# Altium PCB LarixEDUV3b.PcbDoc (part 1 of 2)
Units mm, origin at the board's own origin, x right, y up, seen from the top; angles counter-clockwise.
Board outline 56 x 65 mm, 2 copper layers (Top Layer, Bottom Layer), stack 1.621 mm thick; 132 components, 118 nets, 633 pads, 273 vias.
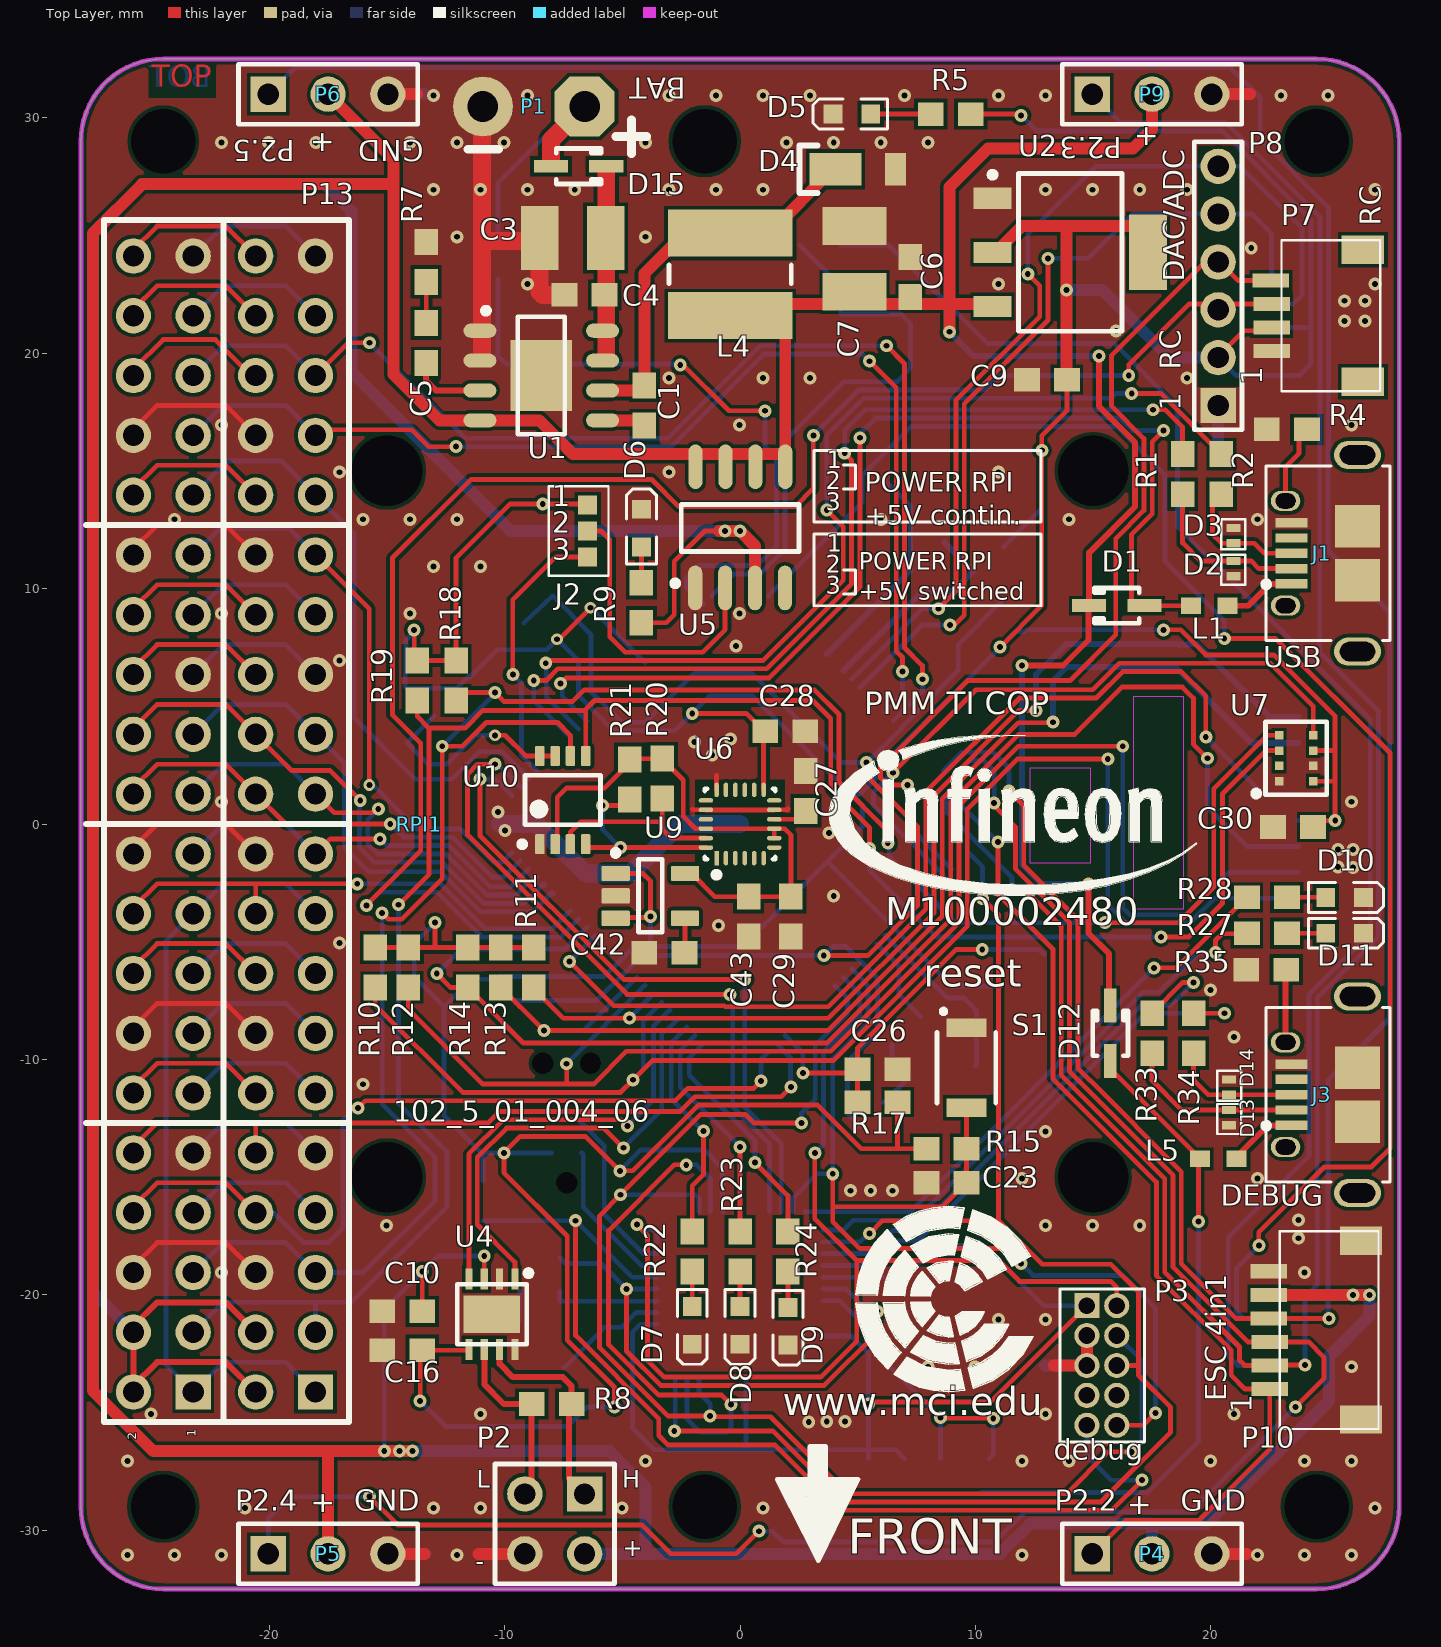
[diagram p0: Top Layer view]
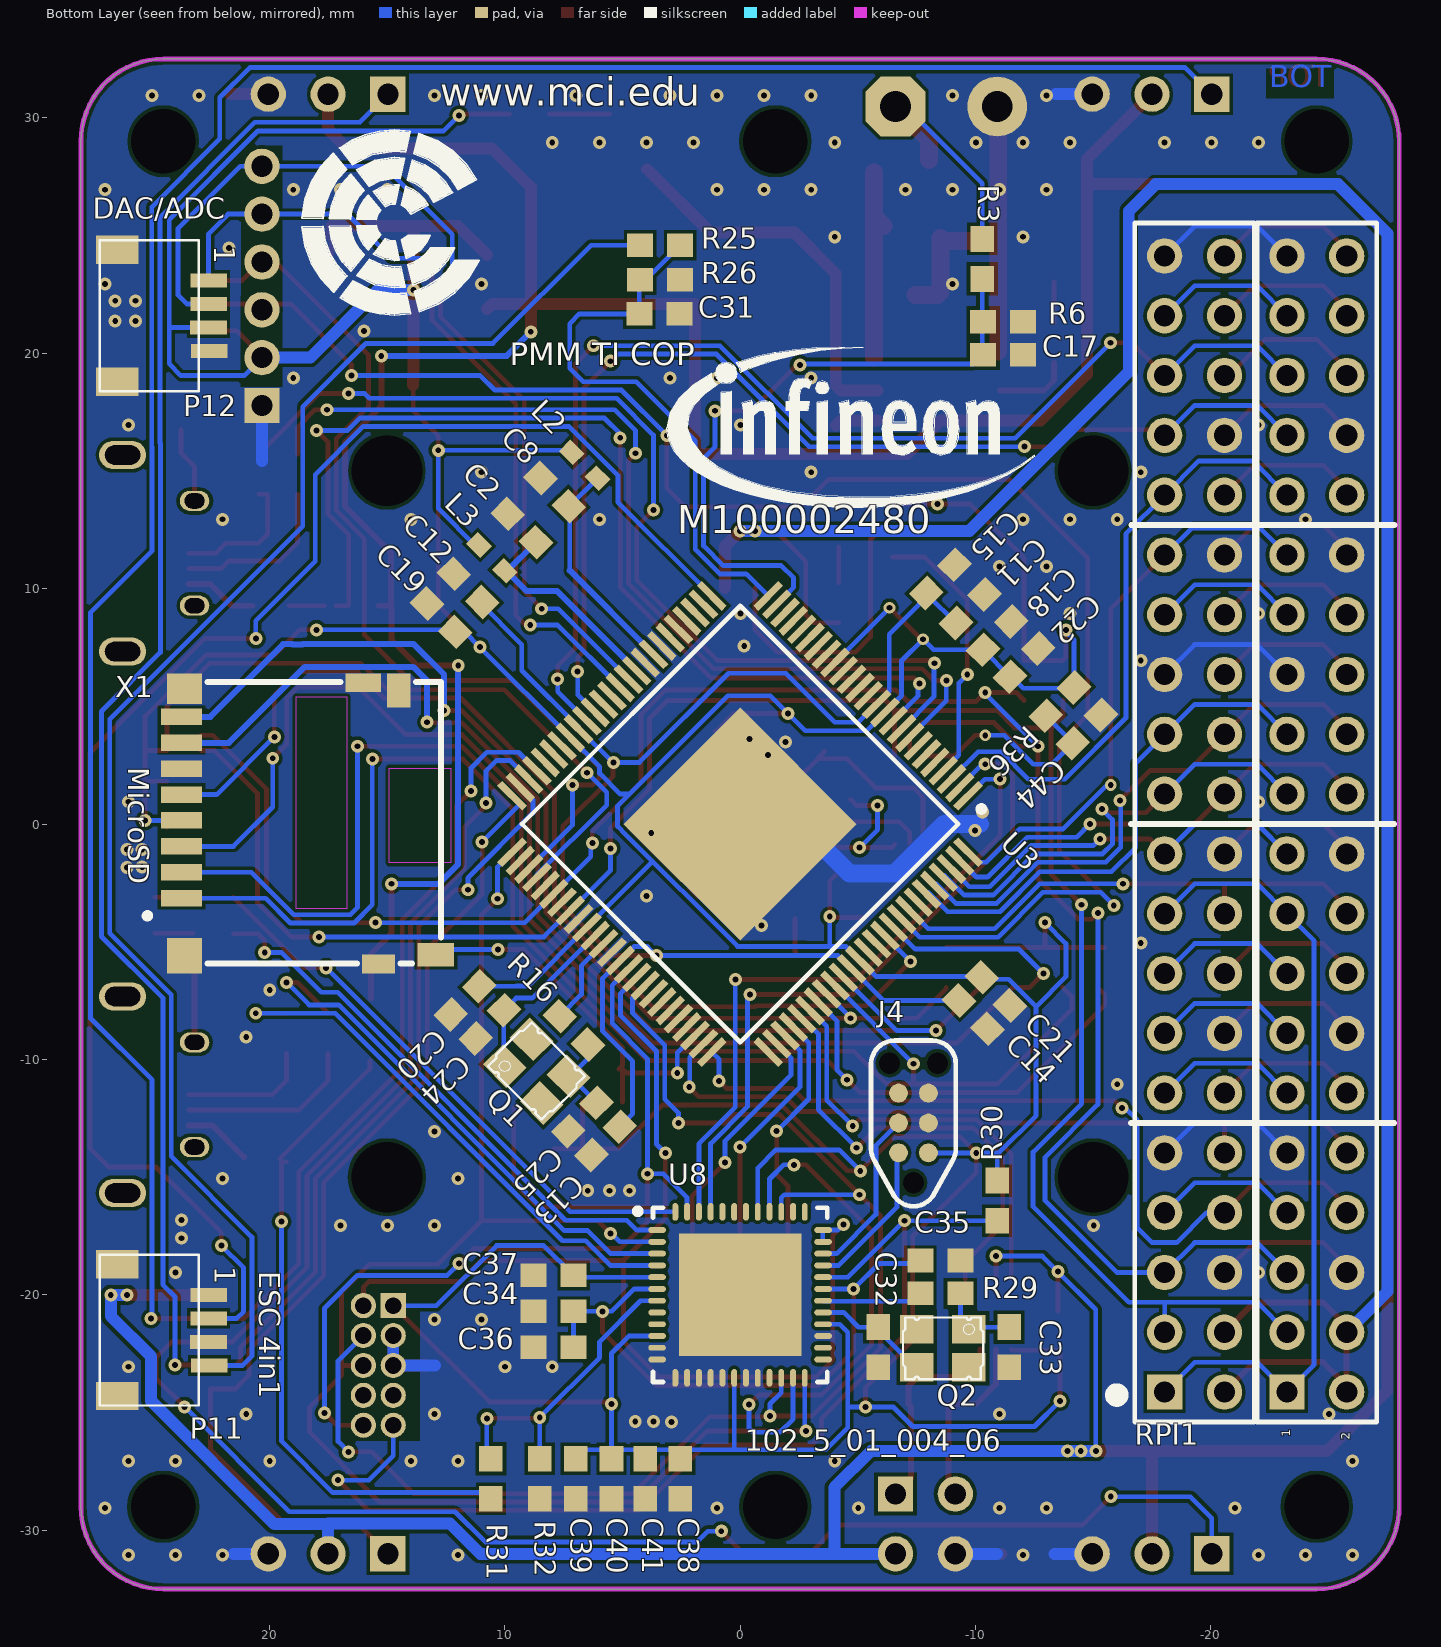
[diagram p1: Bottom Layer view, seen from below]

## Layer stack, top to bottom
Top Solder: solder mask 0.0102, Solder Resist, Dk 3.5
Top Layer: signal copper 0.0356
Dielectric 1: dielectric 1.55, FR-4, Dk 4.8
Bottom Layer: signal copper 0.0356
Bottom Solder: solder mask 0.0102, Solder Resist, Dk 3.5

## Board outline
-28,-29 ccw(c-24.5,-29) -24.5,-32.5 24.5,-32.5 ccw(c24.5,-29) 28,-29 28,29 ccw(c24.5,29) 24.5,32.5 -24.5,32.5 ccw(c-24.5,29) -28,29

## Design rules (kind name [scope] priority, off if disabled: settings)
Clearance [All] p1: gap=0.15 ignorepadtopadclearanceinfootprint=TRUE
ComponentClearance [All] p1: gap=0 collisioncheckmode=3 verticalgap=0 showdistances=FALSE
PolygonConnect [All] p1: connectstyle=Direct reliefconductorwidth=0.254 reliefentries=4 polygonreliefangle="90 Angle" airgapwidth=0.254
RoutingVias [All] p1: holewidth=0.25 width=0.5 viastyle="Through Hole" minholewidth=0.25 minwidth=0.5 maxholewidth=0.25 maxwidth=0.5
SolderMaskExpansion [All] p1: expansion=0.102
Width [All] p1: maxlimit=1 minlimit=0.152 preferedwidth=0.203
29 further rules are at their usual default settings.

## Classes and differential pairs
component class LarixEDUV3b_1: C32 C33 C34 C35 C36 C37 C38 C39 C40 C41 D10 D11 D12 D13 D14 J3 J4 L5 P13 Q2 R27 R28 R29 R30 R31 R32 R33 R34 R35 RPI1 U8
component class LarixEDUV3b: C1 C2 C3 C4 C5 C6 C7 C8 C9 C10 C11 C12 C13 C14 C15 C16 C17 C18 C19 C20 C21 C22 C23 C24 C25 C26 C27 C28 C29 C30 C31 C42 C43 C44 D1 D2 D3 D4 D5 D6 D7 D8 D9 D15 J1 J2 L1 L2 L3 L4 P1 P2 P3 P4 P5 P6 P7 P8 P9 P10 P11 P12 Q1 R1 R2 R3 R4 R5 R6 R7 R8 R9 R10 R11 R12 R13 R14 R15 R16 R17 R18 R19 R20 R21 R22 R23 R24 R25 R26 R36 S1 U1 U2 U3 U4 U5 U6 U7 U9 U10 X1

## Components (designator, comment, footprint, x,y, rotation, side; value= is the part's Value field where it differs from the comment)
C1 "220nF" _0603 -4.064,17.78 r90 top
C2 "100nF" _0603 9.271,12.573 r225 bottom
C3 "10µF/50V" _1210 -7.112,24.892 r0 top
C4 "220nF" _0603 -6.604,22.479 r180 top
C5 "22nF" _0603 -13.335,20.426 r90 top
C6 "220nF" _0603 7.239,23.241 r90 top
C7 "100µF" _1210 4.86,24.003 r270 top
C8 "100nF" _0603 7.874,14.097 r45 bottom
C9 "10µF" _0603 13.035,18.874 r0 top
C10 "100nF" _0603 -14.351,-20.701 r0 top
C11 "100nF" _0603 -9.779,9.144 r135 bottom
C12 "100nF" _0603 11.557,10.028 r45 bottom
C13 "100nF" _0603 5.715,-13.462 r315 bottom
C14 "100nF" _0603 -9.906,-8.094 r225 bottom
C15 "10µF" _0603 -8.509,10.414 r135 bottom
C16 "100nF" _0603 -14.351,-22.352 r180 top
C17 "15pF" _0603 -11.176,19.939 r0 bottom
C18 "100nF" _0603 -10.922,8.001 r135 bottom
C19 "100nF" _0603 12.7,8.763 r45 bottom
C20 "100nF" _0603 11.684,-7.493 r315 bottom
C21 "100nF" _0603 -10.866,-7.112 r225 bottom
C22 "10µF" _0603 -12.065,6.859 r135 bottom
C23 "100nF" _0603 8.763,-15.24 r180 top
C24 "15pF" _0603 10.631,-8.509 r135 bottom
C25 "15pF" _0603 6.694,-12.446 r315 bottom
C26 "100nF" _0603 5.842,-10.414 r0 top
C27 "10nF" _0603 2.794,1.407 r270 top
C28 "100nF" _0603 1.92,3.937 r0 top
C29 "100nF" _0603 2.159,-3.937 r270 top
C30 "100nF" _0603 23.495,-0.127 r180 top
C31 "15pF" _0603 3.429,21.666 r180 bottom
C32 "15pF" _0603 -5.866,-22.225 r90 bottom
C33 "15pF" _0603 -11.43,-22.225 r90 bottom
C34 "100nF" _0603 7.92,-20.701 r180 bottom
C35 "100nF" _0603 -8.509,-18.542 r0 bottom
C36 "10µF" _0603 7.92,-22.225 r180 bottom
C37 "100nF" _0603 7.92,-19.177 r180 bottom
C38 "100nF" _0603 2.54,-27.813 r90 bottom
C39 "100nF" _0603 6.985,-27.813 r90 bottom
C40 "10µF" _0603 5.461,-27.813 r90 bottom
C41 "100nF" _0603 4.031,-27.813 r90 bottom
C42 "10nF" _0603 -3.218,-5.461 r180 top
C43 "100nF" _0603 0.363,-3.937 r270 top
C44 "100nF" _0603 -14.732,4.031 r135 bottom
D1 "BAT60A" SOD-323 16.002,9.275 r180 top
D2 "ESD" TSLP_2_17 20.955,11.176 r180 top
D3 "ESD" TSLP_2_17 20.955,11.923 r0 top
D4 "DFLS240L-7" POWERDI_123 4.054,27.813 r0 top
D5 "blue" LED_0603 4.749,30.158 r180 top
D6 "blue" LED_0603 -4.191,12.573 r90 top
D7 "green" LED_0603 -2.032,-21.298 r270 top
D8 "yellow" LED_0603 0,-21.298 r270 top
D9 "red" LED_0603 2.041,-21.336 r270 top
D10 "red" LED_0603 25.678,-4.639 r0 top
D11 "green" LED_0603 25.678,-3.116 r0 top
D12 "BAT60A" SOD-323 15.726,-8.89 r90 top
D13 "ESD" TSLP_2_17 20.775,-12.15 r180 top
D14 "ESD" TSLP_2_17 20.775,-11.5 r0 top
D15 "BAT60A" SOD-323 -6.859,27.94 r0 top
J1 "629105150921" 629105150921 24.7,11.5 r90 top
J2 "solder Jumper" Jumper_3pol -6.477,12.446 r0 top
J3 "629105150921" 629105150921 24.7,-11.5 r90 top
J4 "FirmwareXMC4200" TagConnect_6pol -7.366,-12.7 r90 bottom
L1 "BLM18PG600" "SMD 0603" 19.939,9.271 r0 top
L2 "BLM18PG600" "SMD 0603" 6.604,15.24 r45 bottom
L3 "BLM18PG600" "SMD 0603" 10.541,11.303 r45 bottom
L4 "47µH" WE_TCP -0.42,23.347 r270 top
L5 "BLM18PG600" "SMD 0603" 20.32,-14.224 r0 top
P1 "WRTBL_2P_508" WRTBL_2P_508 -30.226,9.652 r90 top
P2 "Header 2X2" HDR2X2 -6.604,-28.46 r180 top
P3 "Header 5X2" FTSH-105-01-F-D-K 15.367,-23 r270 top
P4 "ESC_1" HDR1X3 14.96,-31 r0 top
P5 "ESC_2" HDR1X3 -20.04,-31 r0 top
P6 "ESC_3" HDR1X3 -20.04,31 r0 top
P7 "STJ_SH_4pol" SM04B-SRSS-TB(LF)(SN) 24.5,21.59 r90 top
P8 "Header 6" HDR1X6 20.309,16.764 r90 top
P9 "ESC_4" HDR1X3 14.96,31 r0 top
P10 "ESC 4in1" SM06B-SRSS-TB(LF)(SN) 22.5,-24 r90 top
P11 "ESC 4in1" SM04B-SRSS-TB(LF)(SN) 24.5,-21.5 r270 bottom
P12 "STJ_SH_4pol" SM04B-SRSS-TB(LF)(SN) 24.5,21.59 r270 bottom
P13 "Header_20X2" Header_20X2 -19.306,0 r90 top
Q1 "12MHZ/S/3.2X2.5" 32X25_4PAD 8.653,-10.5 r225 bottom
Q2 "12MHZ/S/3.2X2.5" 32X25_4PAD -8.623,-22.262 r0 bottom
R1 "47R" _0603 18.796,14.859 r270 top
R2 "47R" _0603 20.447,14.859 r270 top
R3 "33k" _0603 -10.287,24.003 r90 bottom
R4 "1M" _0603 23.225,16.764 r0 top
R5 "680R" _0603 8.949,30.158 r180 top
R6 "10k" _0603 -11.176,21.336 r180 bottom
R7 "22k" _0603 -13.335,23.876 r270 top
R8 "120R_opt" _0603 -8.001,-24.638 r0 top
R9 "1k2" _0603 -4.191,9.398 r270 top
R10 "10k" _0603 -15.494,-6.096 r90 top
R11 "10k" _0603 -8.763,-6.096 r90 top
R12 "10k" _0603 -14.097,-6.096 r90 top
R13 "10k" _0603 -10.16,-6.096 r90 top
R14 "10k" _0603 -11.563,-6.096 r90 top
R15 "10k" _0603 8.763,-13.793 r180 top
R16 "510R" _0603 7.059,-8.763 r225 bottom
R17 "10k" _0603 5.842,-11.811 r0 top
R18 "1k" _0603 -12.065,6.096 r90 top
R19 "1k" _0603 -13.716,6.096 r90 top
R20 "1k" _0603 -3.302,1.932 r90 top
R21 "1k" _0603 -4.694,1.894 r90 top
R22 "680R" _0603 -2.032,-18.161 r270 top
R23 "680R" _0603 0,-18.161 r270 top
R24 "680R" _0603 2.032,-18.161 r270 top
R25 "33k" _0603 3.394,24.584 r180 bottom
R26 "10k" _0603 3.394,23.117 r0 bottom
R27 "680R" _0603 22.376,-4.639 r180 top
R28 "680R" _0603 22.376,-3.116 r180 top
R29 "510R" _0603 -8.509,-19.939 r0 bottom
R30 "10k" _0603 -10.922,-16.002 r270 bottom
R31 "4k7" _0603 10.588,-27.813 r90 bottom
R32 "10k" _0603 8.509,-27.813 r270 bottom
R33 "47R" _0603 17.5,-8.89 r270 top
R34 "47R" _0603 19.265,-8.89 r270 top
R35 "1M" _0603 22.352,-6.184 r0 top
R36 "200k" _0603 -13.589,5.201 r135 bottom
RPI1 "Raspberry Pi Zero W" RPI_ZERO -1.5,-29 r90 top locked
S1 "Pushbutton_B3U-1000P" B3U-1000P 9.613,-10.355 r90 top
U1 "IFX91041_5V" DSO_8 -8.446,19.05 r0 top
U2 "IFX1117ME V33" INF-PG-SOT223_SC-73_N 14.025,24.281 r0 top
U3 "XMC4700-F100K2048" QFP50P1600X1600X160-101N 0,0 r315 bottom
U4 "IFX1051" PG-TSON-8 -10.541,-20.828 r180 top
U5 "ITS4060S_SJ_N" SO_8 0,12.573 r90 top
U6 "ICM-20948" TDK_InvenSense_ICM-20948_0 0,0 r90 top
U7 "DPS422" DPS310 23.622,2.794 r90 top
U8 "XMC4200-Q48K256 AB" INF-PG-VQFN-48-53-5200X5200TP_N 0,-20 r180 bottom
U9 "LP2985-18DBVR" DBV0005A_M -3.81,-3.052 r0 top
U10 "PCA9306DCTR" DCT0008A_L -7.532,1.016 r90 top
X1 "MicroSD" MicroSD_DM3D 22.85,4.55 r270 bottom

## Footprints (in the part's own frame and the unit in brackets; to place one, negate y for a bottom-side part, rotate by r counter-clockwise, add the part's x,y. Pads: shape width x height; smd on the part's side, far side on the other; paste and mask are expansions set on the pad)
32X25_4PAD [mil]
  rect 56x48 smd: 1(-43.31,-31.5) 2(44,-31.5) 3(44,32) 4(-43.31,32)
  silkscreen extent -67,-51 67,52
629105150921 [mm]
  rect 0.4x1.35 smd: 1(-1.3,1.277) 2(-0.65,1.277) 3(0,1.277) 4(0.65,1.277) 5(1.3,1.277)
  oval 0.85x1.25 hole 0.65 slot 0.85 at 90 deg: Z1(-2.225,1.528) Z2(2.225,1.528)
  rect 1.8x1.9 smd: Z4(-1.15,-1.527) Z5(1.15,-1.527)
  oval 1.2x2 hole 0.825 slot 1.5 at 90 deg: ""(-4.175,-1.527) ""(4.175,-1.527)
  silkscreen extent -3.7,-2.9 3.7,2.47, body extent -4.3,-4.2 4.3,1.67, height 2.73
_0603 [mm]
  rect 1.1x1 smd: 1(-0.85,0) 2(0.85,0)
  body extent -0.8,-0.41 0.8,0.39, height 0.3
_1210 [mm]
  rect 1.6x2.7 smd: 1(-1.4,0) 2(1.4,0)
  body extent -1.57,-1.24 1.63,1.26, height 1.5
B3U-1000P [mm]
  rect 0.8x1.7 smd: 1(1.7,0) 2(-1.7,0)
  silkscreen extent -1.5,-1.25 2.49,1.25, body extent -2,-1.25 2,1.25, height 1.6
DBV0005A_M [mm] "SOT23, 5-Leads, Body 3.05x1.75mm, Pitch 0.95mm, IPC Low Density"
  rrect15% 1.2x0.65 smd: 1(-1.475,0.95) 2(-1.475,0) 3(-1.475,-0.95) 4(1.475,-0.95) 5(1.475,0.95)
  silkscreen extent -1.6,-1.55 0.5,1.95, body extent -1.42,-1.46 1.42,1.46, height 1.08
DCT0008A_L [mm] "SOP, 8-Leads, Body 2.9x3.2mm, Pitch 0.65mm, IPC High Density"
  rrect25% 0.85x0.4 smd: 1(-1.875,0.975) 2(-1.875,0.325) 3(-1.875,-0.325) 4(-1.875,-0.975) 5(1.875,-0.975) 6(1.875,-0.325) 7(1.875,0.325) 8(1.875,0.975)
  silkscreen extent -2,-1.6 1.05,1.85, body extent -2.01,-1.47 2.01,1.48, height 1.3
DPS310 [mm] "LGA,1.45mm col. pitch X 0.65mm row pitch,rect.;8 pin,2 columns X 4 rows,2.00mm X 2.50mm X 1.00mm H"
  rect 0.356x0.356 smd paste+0 mask+0: 1(-0.975,0.725) 2(-0.325,0.725) 3(0.325,0.725) 4(0.975,0.725) 5(0.975,-0.725) 6(0.325,-0.725) 7(-0.325,-0.725) 8(-0.975,-0.725)
  silkscreen extent -1.62,-1.3 1.55,1.82, body extent -1.25,-1 1.25,1, height 1.01
DSO_8 [mm]
  oval 1.4x0.6 smd: 1(-2.604,1.905) 2(-2.604,0.635) 3(-2.604,-0.635) 4(-2.604,-1.905) 5(2.604,-1.905) 6(2.604,-0.635) 7(2.604,0.635) 8(2.604,1.905)
  rect 2.6x3 smd: 9(0,0)
  silkscreen extent -2.47,-2.5 1,2.88, body extent -2.89,-2.41 2.89,2.49, height 1.45
FTSH-105-01-F-D-K [mil]
  rect 42x42 hole 28: 1(-100,-25)
  round 42 hole 28: 2(-100,25) 3(-50,-25) 4(-50,25) 5(0,-25) 6(0,25) 7(50,-25) 8(50,25) 9(100,-25) 10(100,25)
  silkscreen extent -127,-70 128,71
HDR1X3 [mm] "Connector; Header; 3 Position"
  rect 1.5x1.5 hole 0.9: 1(0,0)
  round 1.5 hole 0.9: 2(2.54,0) 3(5.08,0)
  silkscreen extent -1.27,-1.27 6.35,1.27, body extent -0.3,-0.29 5.38,0.3, height 7
HDR1X6 [mm] "Connector; Header; 6 Position"
  rect 1.5x1.5 hole 0.9: 1(1.016,0)
  round 1.5 hole 0.9: 2(3.048,0) 3(5.08,0) 4(7.112,0) 5(9.144,0) 6(11.176,0)
  silkscreen extent -0.02,-1.02 12.22,1.02, body extent 0.72,-0.3 11.48,0.3, height 7
HDR2X2 [mm] "Connector; Header; 2x2 Position"
  rect 1.5x1.5 hole 0.9: 1(0,0)
  round 1.5 hole 0.9: 2(0,2.54) 3(2.54,0) 4(2.54,2.54)
  silkscreen extent -1.27,-1.27 3.81,3.81, body extent -0.3,-0.29 2.84,2.84, height 7
Header_20X2 [mm] "RPI Zero / W"
  rect 1.5x1.5 hole 0.9: 1(-24.13,-1.27)
  round 1.5 hole 0.9: 2(-24.13,1.27) 3(-21.59,-1.27) 4(-21.59,1.27) 5(-19.05,-1.27) 6(-19.05,1.27) 7(-16.51,-1.27) 8(-16.51,1.27) 9(-13.97,-1.27) 10(-13.97,1.27) 11(-11.43,-1.27) 12(-11.43,1.27) 13(-8.89,-1.27) 14(-8.89,1.27) 15(-6.35,-1.27) 16(-6.35,1.27) 17(-3.81,-1.27) 18(-3.81,1.27) 19(-1.27,-1.27) 20(-1.27,1.27) 21(1.27,-1.27) 22(1.27,1.27) 23(3.81,-1.27) 24(3.81,1.27) 25(6.35,-1.27) 26(6.35,1.27) 27(8.89,-1.27) 28(8.89,1.27) 29(11.43,-1.27) 30(11.43,1.27) 31(13.97,-1.27) 32(13.97,1.27) 33(16.51,-1.27) 34(16.51,1.27) 35(19.05,-1.27) 36(19.05,1.27) 37(21.59,-1.27) 38(21.59,1.27) 39(24.13,-1.27) 40(24.13,1.27)
  body extent -25.52,-2.38 25.52,2.63, height 3.2
INF-PG-SOT223_SC-73_N [mm] "SOT223, 4-Leads, Body 6.5x3.5mm, Pitch 2.3mm, IPC Medium Density"
  rect 1.6x0.9 smd: 1(-3.3,2.3) 2(-3.3,0) 3(-3.3,-2.3)
  rect 1.6x3.2 smd: 4(3.3,0)
  silkscreen extent -3.42,-3.35 2.2,3.42, body extent -1.85,-3.35 1.85,3.35, height 1.8
INF-PG-VQFN-48-53-5200X5200TP_N [mm] "QFN, 48-Leads, Body 7x7mm, Pitch 0.5mm, Thermal Pad 5.2x5.2mm, IPC Medium Density"
  oval 0.75x0.25 smd: 1(-3.525,2.75) 2(-3.525,2.25) 3(-3.525,1.75) 4(-3.525,1.25) 5(-3.525,0.75) 6(-3.525,0.25) 7(-3.525,-0.25) 8(-3.525,-0.75) 9(-3.525,-1.25) 10(-3.525,-1.75) 11(-3.525,-2.25) 12(-3.525,-2.75) 25(3.525,-2.75) 26(3.525,-2.25) 27(3.525,-1.75) 28(3.525,-1.25) 29(3.525,-0.75) 30(3.525,-0.25) 31(3.525,0.25) 32(3.525,0.75) 33(3.525,1.25) 34(3.525,1.75) 35(3.525,2.25) 36(3.525,2.75)
  oval 0.25x0.75 smd: 13(-2.75,-3.525) 14(-2.25,-3.525) 15(-1.75,-3.525) 16(-1.25,-3.525) 17(-0.75,-3.525) 18(-0.25,-3.525) 19(0.25,-3.525) 20(0.75,-3.525) 21(1.25,-3.525) 22(1.75,-3.525) 23(2.25,-3.525) 24(2.75,-3.525) 37(2.75,3.525) 38(2.25,3.525) 39(1.75,3.525) 40(1.25,3.525) 41(0.75,3.525) 42(0.25,3.525) 43(-0.25,3.525) 44(-0.75,3.525) 45(-1.25,3.525) 46(-1.75,3.525) 47(-2.25,3.525) 48(-2.75,3.525)
  rect 5.2x5.2 smd: 49(0,0)
  silkscreen extent -4.47,-3.7 3.7,3.7, body extent -3.55,-3.55 3.55,3.55, height 0.9
Jumper_3pol [mm]
  rect 0.8x0.8 smd: 1(0,1.1) 2(0,0) 3(0,-1.1)
  silkscreen extent -1.65,-1.91 0.89,1.91
LED_0603 [mm] "Chip LED, 2-Leads, Body 1.6x0.8mm, IPC Medium Density"
  rect 0.8x0.8 smd: 1(-0.8,0) 2(0.8,0)
  silkscreen extent -1.52,-0.64 1.65,0.64, body extent -0.8,-0.4 0.8,0.4, height 0.7
MicroSD_DM3D [mm] "101-00660-68-6"
  rect 0.7x1.75 smd: 1(7.7,-0.875) 2(6.6,-0.875) 3(5.5,-0.875) 4(4.4,-0.875) 5(3.3,-0.875) 6(2.2,-0.875) 7(1.1,-0.875) 8(0,-0.875)
  rect 0.8x1.5 smd: GND(-1.45,6.85)
  rect 1.3x1.5 smd: GND(-1.2,-0.75)
  rect 1.5x1.5 smd: GND(10.15,-0.75)
  rect 0.8x1.4 smd: GND(10.5,7.5)
  rect 1x1.55 smd: SW1(10.1,9.925)
  rect 1.45x1 smd: SW2(-1.125,8.35)
  Keep-Out Layer region: -0.85,6.15 8.15,6.15 8.15,4 -0.85,4
  Keep-Out Layer region: 2.174,10.55 6.199,10.55 6.199,7.95 2.174,7.95
  silkscreen extent -1.48,-2.44 10.48,10.15, body extent -1.52,-0.9 10.47,10.18, height 2
PG-TSON-8 [mm]
  rect 0.3x0.9 smd: 1(-0.975,-1.5) 2(-0.325,-1.5) 3(0.325,-1.5) 4(0.975,-1.5) 5(0.975,1.5) 6(0.325,1.5) 7(-0.325,1.5) 8(-0.975,1.5)
  rect 2.4x1.6 smd: 9(0,0)
  silkscreen extent -1.68,-1.87 1.48,1.28
POWERDI_123 [mm]
  rect 0.9x1.4 smd: 1(2.55,0)
  rect 2.2x1.4 smd: 2(0,0)
  silkscreen extent -1.52,-1.02 -0.76,1.02, body extent -0.98,-0.96 2.92,0.97, height 1
QFP50P1600X1600X160-101N [mm] "QFP,0.50mm pitch,square;100 pin,14.00mm L X 14.00mm W X 1.60mm H body (w/thermal tab)"
  rect 1.5x0.3 smd paste+0 mask+0: 1(-7.7,6) 2(-7.7,5.5) 3(-7.7,5) 4(-7.7,4.5) 5(-7.7,4) 6(-7.7,3.5) 7(-7.7,3) 8(-7.7,2.5) 9(-7.7,2) 10(-7.7,1.5) 11(-7.7,1) 12(-7.7,0.5) 13(-7.7,0) 14(-7.7,-0.5) 15(-7.7,-1) 16(-7.7,-1.5) 17(-7.7,-2) 18(-7.7,-2.5) 19(-7.7,-3) 20(-7.7,-3.5) 21(-7.7,-4) 22(-7.7,-4.5) 23(-7.7,-5) 24(-7.7,-5.5) 25(-7.7,-6) 51(7.7,-6) 52(7.7,-5.5) 53(7.7,-5) 54(7.7,-4.5) 55(7.7,-4) 56(7.7,-3.5) 57(7.7,-3) 58(7.7,-2.5) 59(7.7,-2) 60(7.7,-1.5) 61(7.7,-1) 62(7.7,-0.5) 63(7.7,0) 64(7.7,0.5) 65(7.7,1) 66(7.7,1.5) 67(7.7,2) 68(7.7,2.5) 69(7.7,3) 70(7.7,3.5) 71(7.7,4) 72(7.7,4.5) 73(7.7,5) 74(7.7,5.5) 75(7.7,6)
  rect 0.3x1.5 smd paste+0 mask+0: 26(-6,-7.7) 27(-5.5,-7.7) 28(-5,-7.7) 29(-4.5,-7.7) 30(-4,-7.7) 31(-3.5,-7.7) 32(-3,-7.7) 33(-2.5,-7.7) 34(-2,-7.7) 35(-1.5,-7.7) 36(-1,-7.7) 37(-0.5,-7.7) 38(0,-7.7) 39(0.5,-7.7) 40(1,-7.7) 41(1.5,-7.7) 42(2,-7.7) 43(2.5,-7.7) 44(3,-7.7) 45(3.5,-7.7) 46(4,-7.7) 47(4.5,-7.7) 48(5,-7.7) 49(5.5,-7.7) 50(6,-7.7) 76(6,7.7) 77(5.5,7.7) 78(5,7.7) 79(4.5,7.7) 80(4,7.7) 81(3.5,7.7) 82(3,7.7) 83(2.5,7.7) 84(2,7.7) 85(1.5,7.7) 86(1,7.7) 87(0.5,7.7) 88(0,7.7) 89(-0.5,7.7) 90(-1,7.7) 91(-1.5,7.7) 92(-2,7.7) 93(-2.5,7.7) 94(-3,7.7) 95(-3.5,7.7) 96(-4,7.7) 97(-4.5,7.7) 98(-5,7.7) 99(-5.5,7.7) 100(-6,7.7)
  rect 7x7 smd paste+0 mask+0: 101(0,0)
  silkscreen extent -7.82,-6.55 6.55,6.92, body extent -8,-8 8,8, height 1.61